# Altium PCB Copy of pcb-4layer-1oz-1.6mm.PcbDoc (part 1 of 3)
Units mm, origin at the board's own origin, x right, y up, seen from the top; angles counter-clockwise.
Board outline 208.5 x 86.9 mm, 4 copper layers (Top Layer, MID1, MID2, Bottom Layer), stack 1.579 mm thick; 542 components, 426 nets, 1550 pads, 320 vias.
Unrouted connection lines stored in the file: 532.
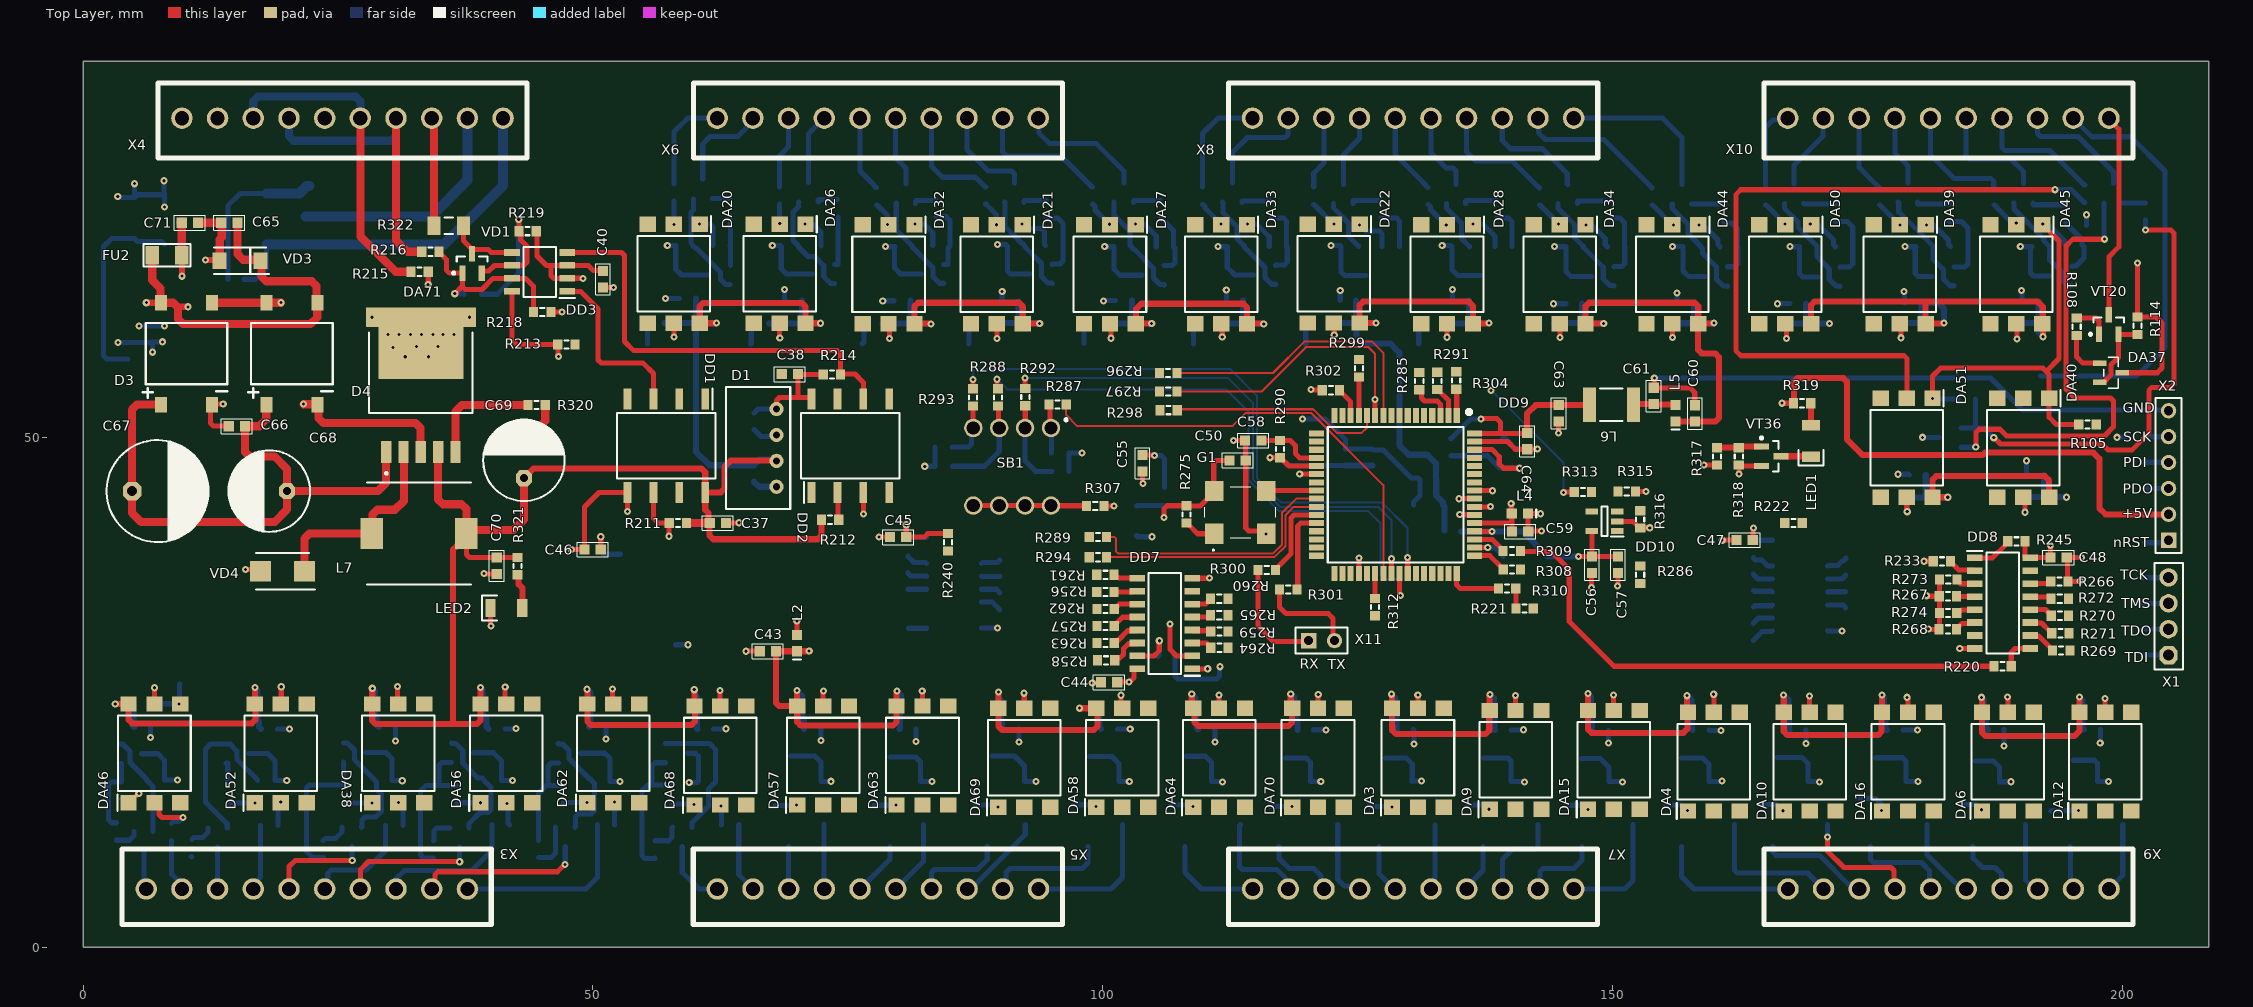
[diagram p0: Top Layer view]
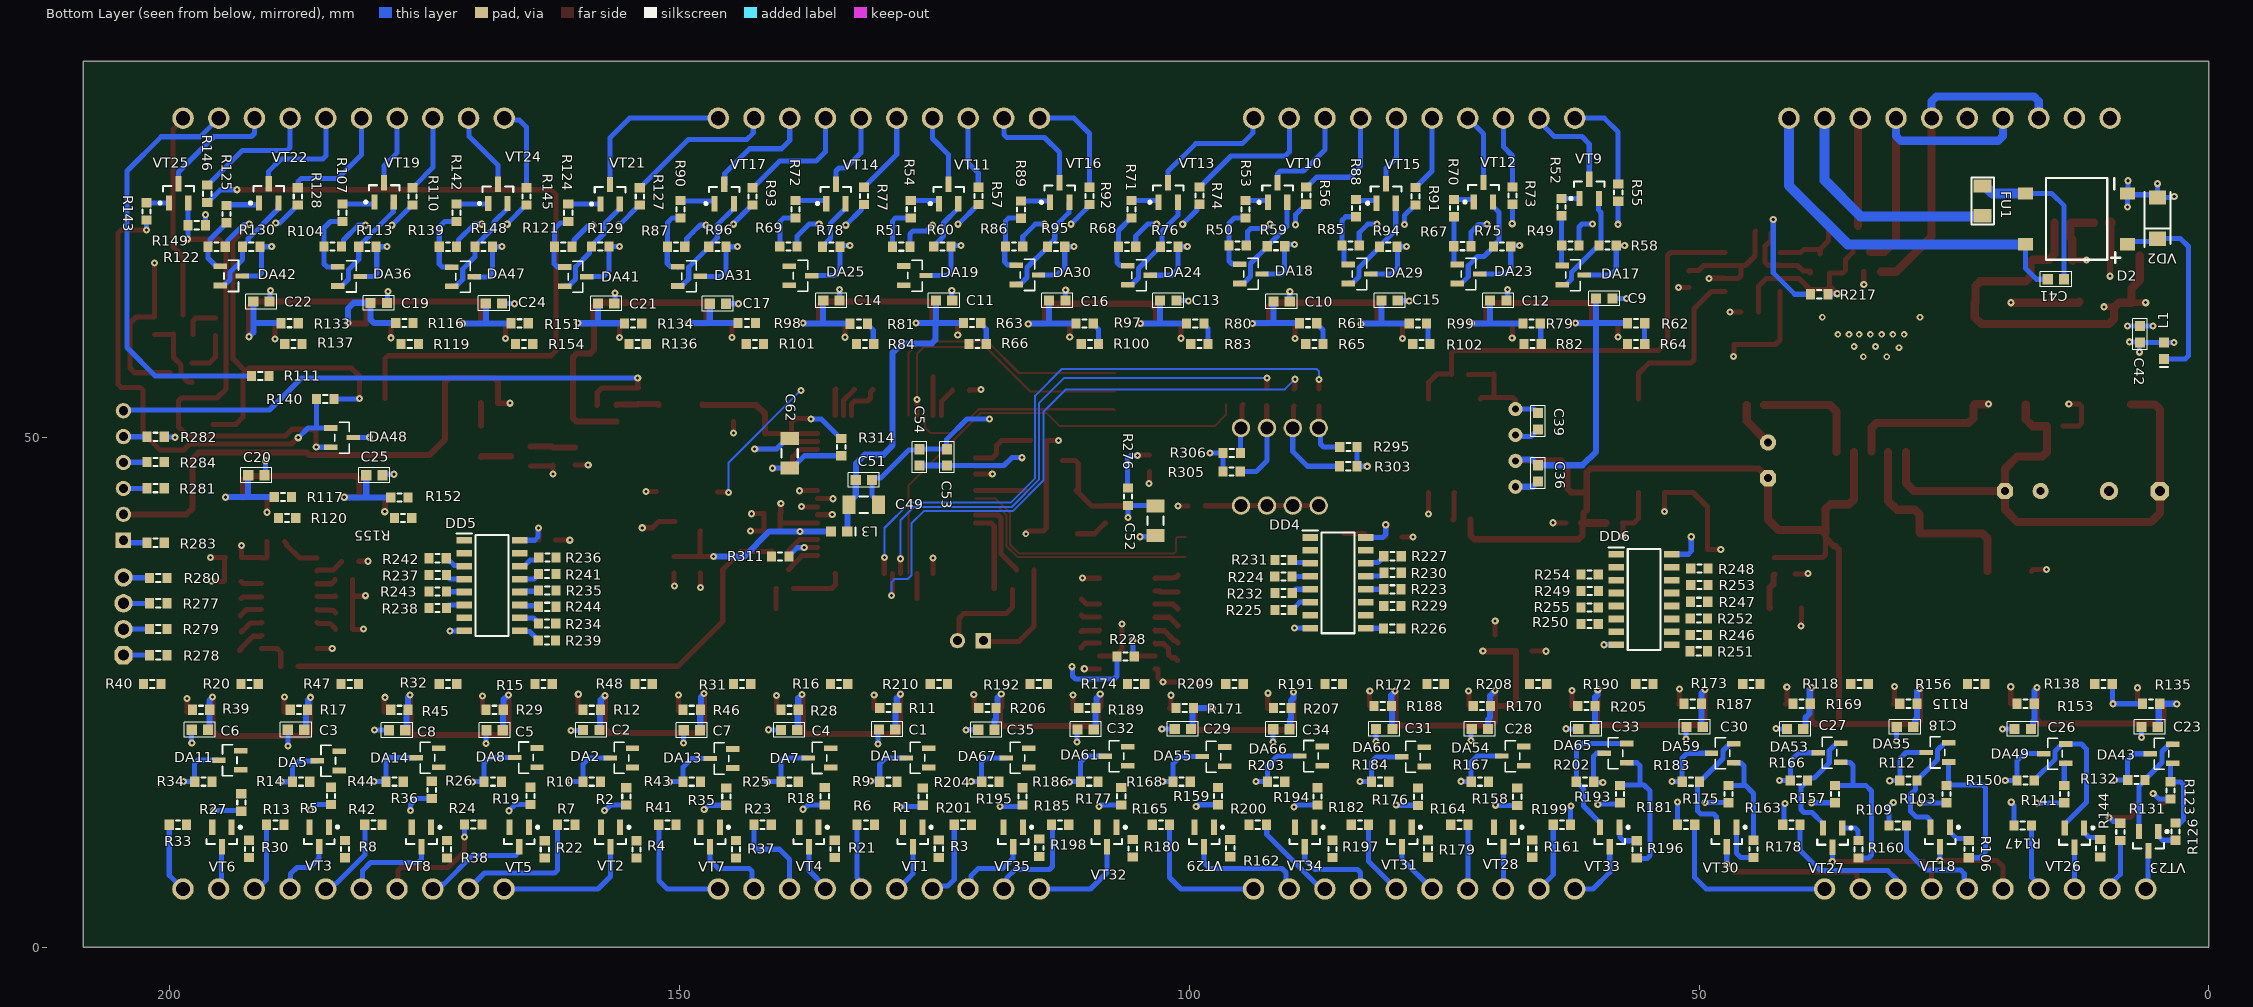
[diagram p1: Bottom Layer view, seen from below]
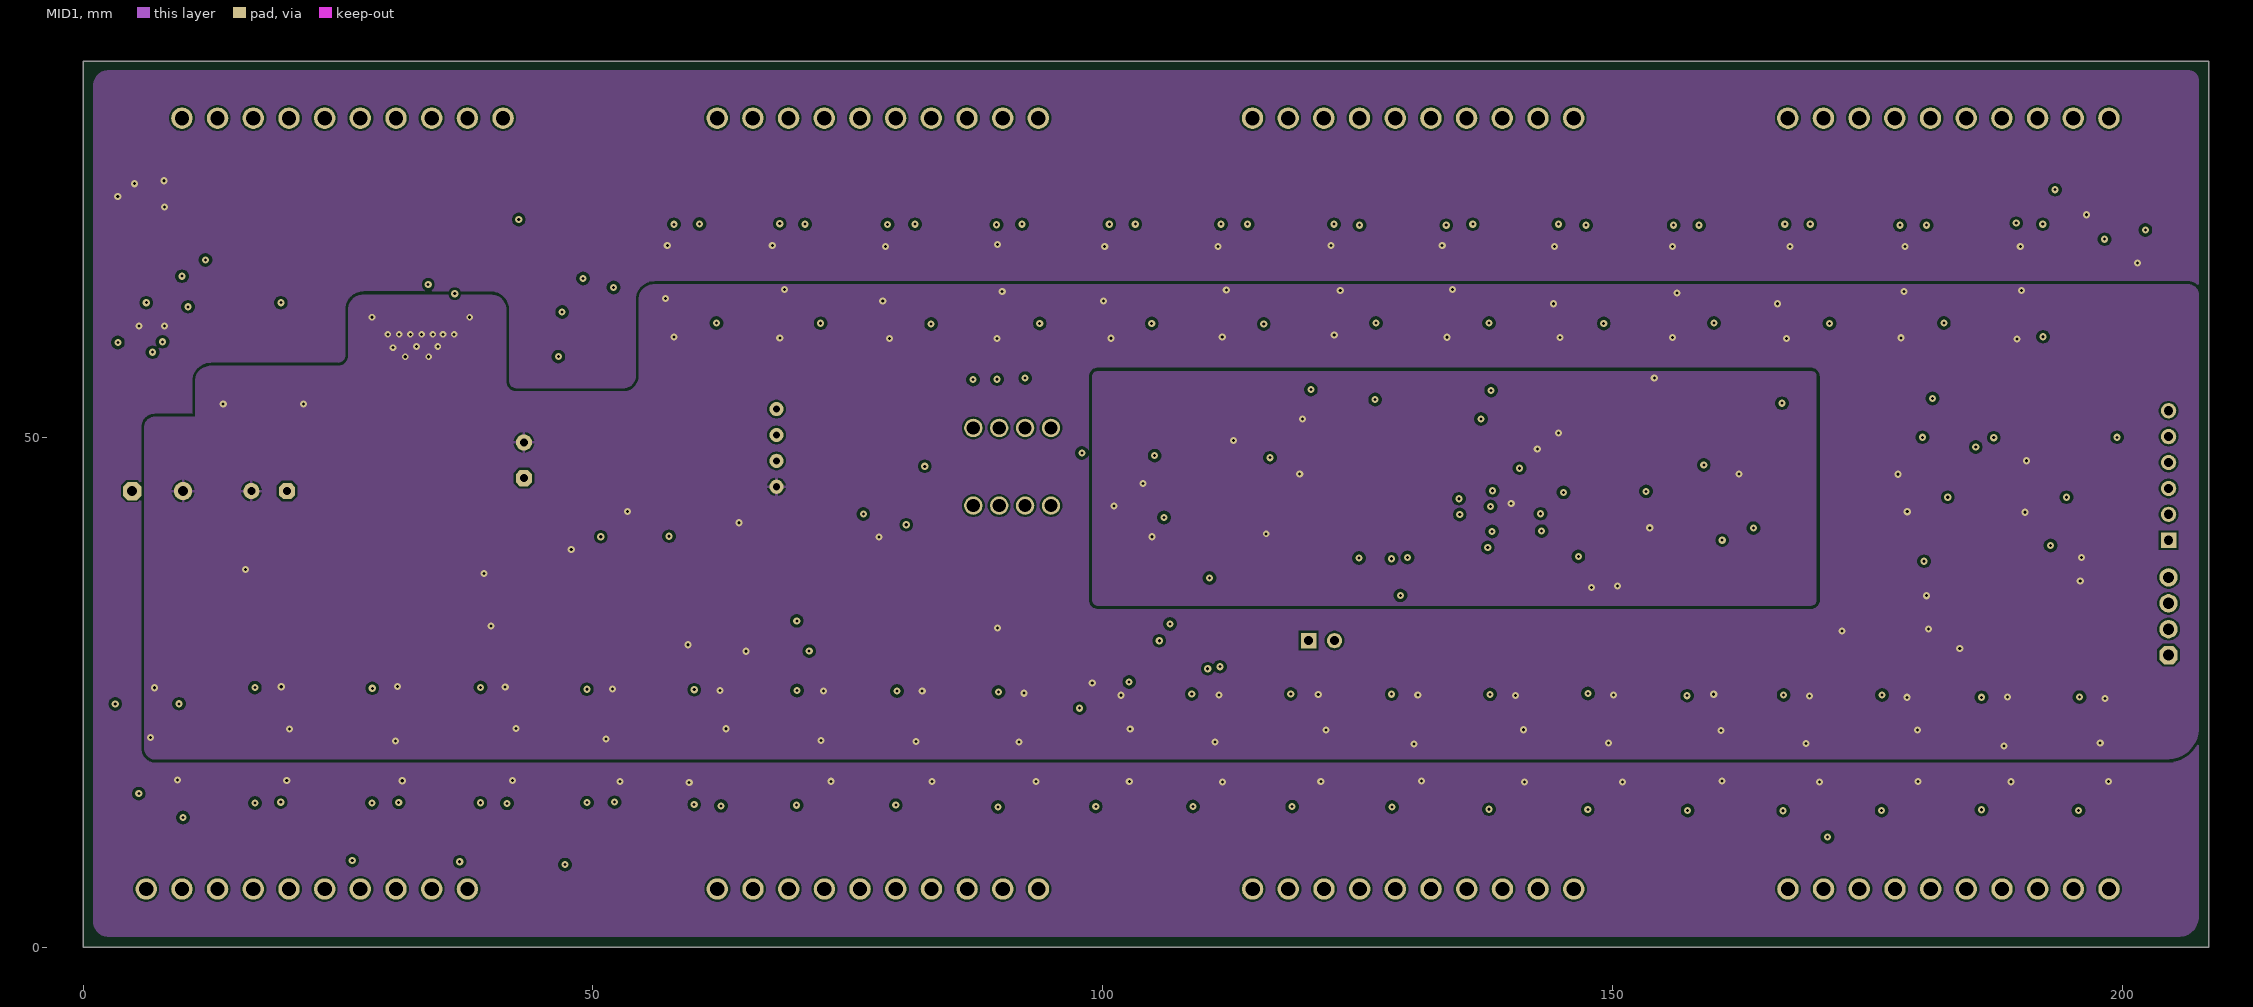
[diagram p2: MID1]
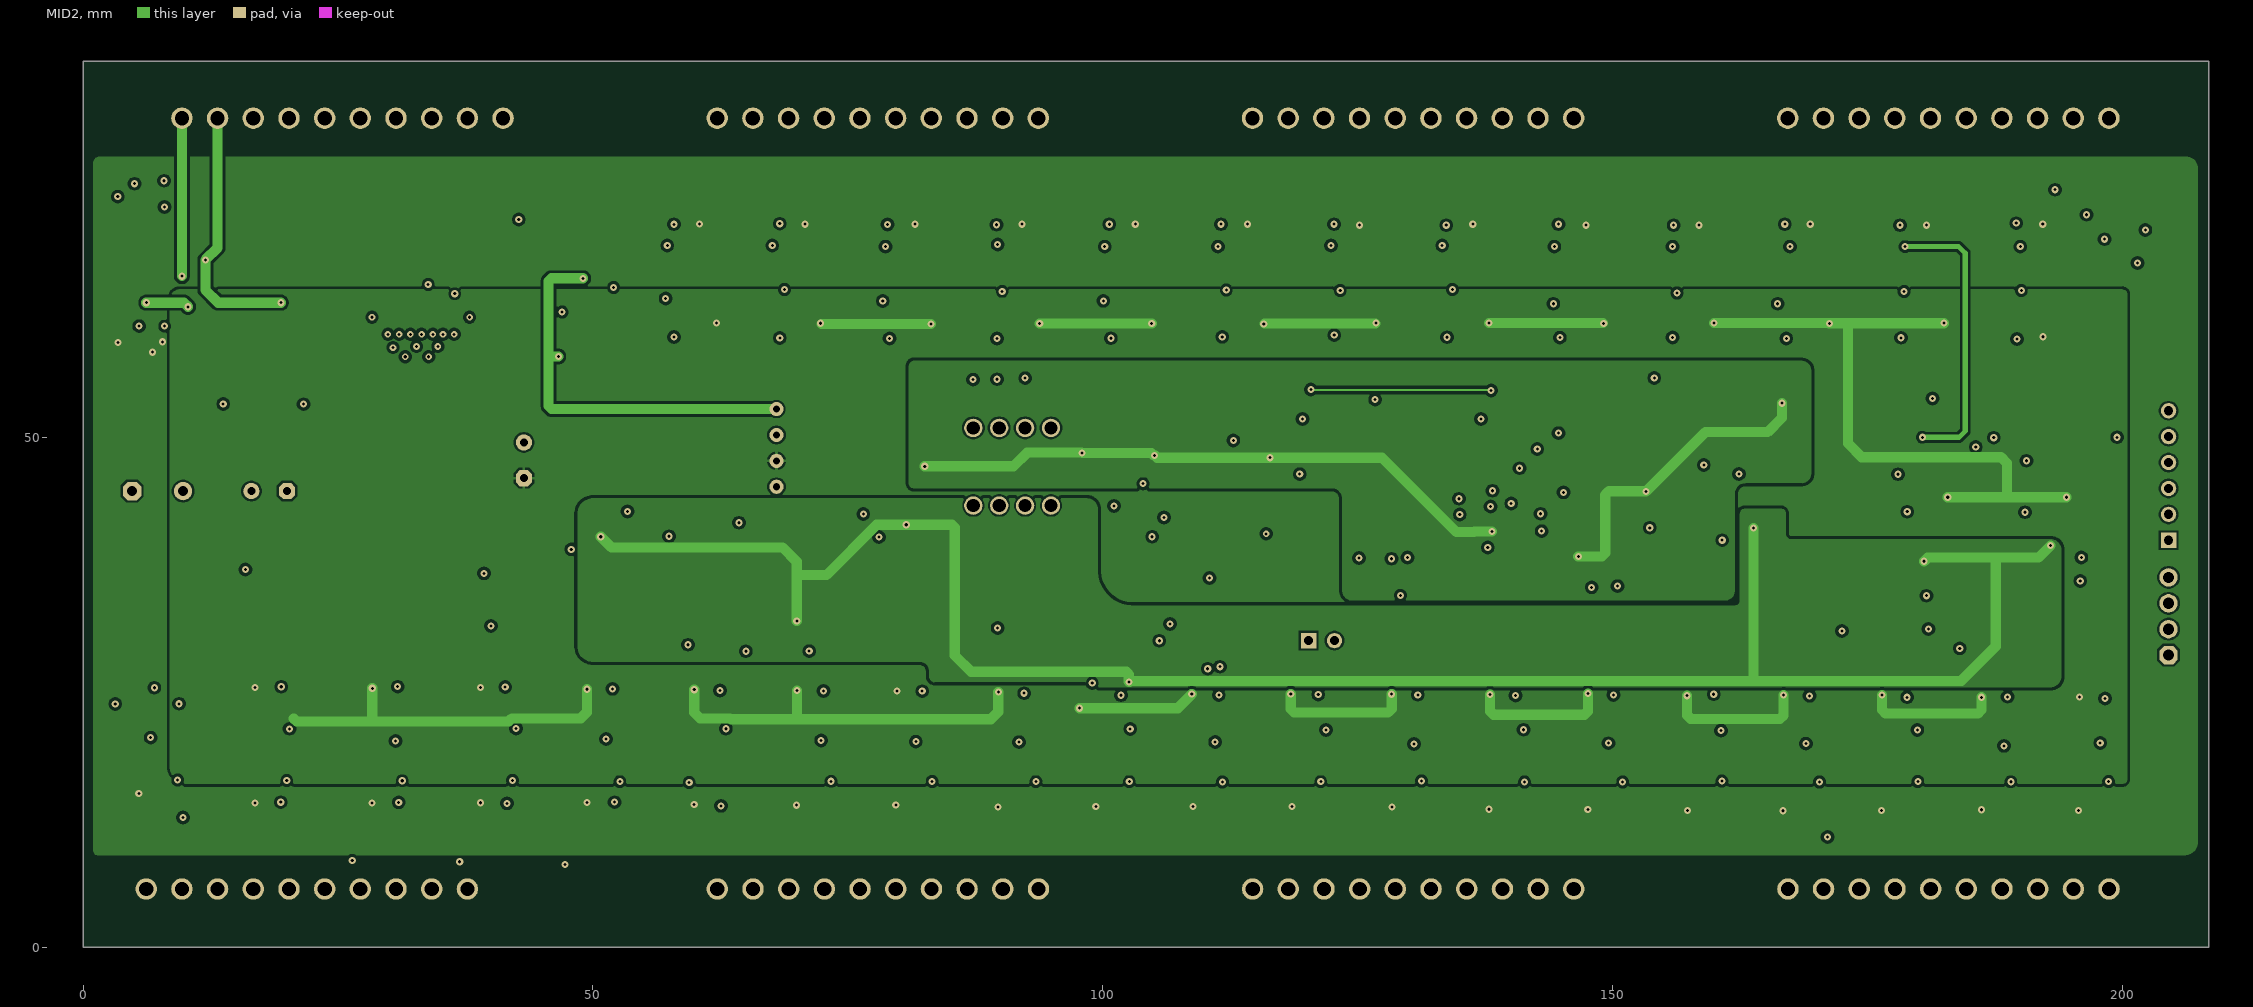
[diagram p3: MID2]

## Layer stack, top to bottom
Top Solder: solder mask 0.0102, Solder Resist, Dk 3.5
Top Layer: signal copper 0.036
Dielectric 2: prepreg 0.0711, PP-006, Dk 4.1
MID1: signal copper 0.035
Dielectric 1: dielectric 1.295, FR-4, Dk 4.8
MID2: signal copper 0.035
Dielectric 3: prepreg 0.0711, PP-006, Dk 4.1
Bottom Layer: signal copper 0.036
Bottom Solder: solder mask 0.0102, Solder Resist, Dk 3.5

## Board outline
0,0 0,86.9 208.5,86.9 208.5,0

## Design rules (kind name [scope] priority, off if disabled: settings)
BoardOutlineClearance [All] p1: gap=0.3 ignorepadtopadclearanceinfootprint=FALSE
Clearance Clearance_MultiLayerPad [OnLayer('Multi-Layer') and IsPad] p1: gap=0.2 ignorepadtopadclearanceinfootprint=FALSE except(0: Arc-Hole Track-Hole SMDPad-Hole THPad-Hole Via-Hole Fill-Hole Poly-Hole Region-Hole Text-Hole)
Clearance Clearance_Polygon [InPolygon] p2: gap=0.3 ignorepadtopadclearanceinfootprint=FALSE except(0: Arc-Hole Track-Hole SMDPad-Hole THPad-Hole Via-Hole Fill-Hole Poly-Hole Region-Hole Text-Hole; 0.15: Arc-Arc Arc-Track Track-Track)
Clearance [All] p3: gap=0.15 ignorepadtopadclearanceinfootprint=FALSE except(0: Arc-Hole Track-Hole SMDPad-Hole THPad-Hole Via-Hole Fill-Hole Poly-Hole Region-Hole Text-Hole)
ComponentClearance [All] p1: gap=0.5 collisioncheckmode=3 verticalgap=0.5 showdistances=FALSE
DiffPairsRouting [All] p1: maxlimit=0.4 minlimit=0.15 mostfreqgap=0.3 toplayer_minwidth=0.15 toplayer_maxwidth=0.3 toplayer_prefwidth=0.15 midlayer1_minwidth=0.15 midlayer1_maxwidth=0.3 midlayer1_prefwidth=0.15 midlayer2_minwidth=0.15 midlayer2_maxwidth=0.3 midlayer2_prefwidth=0.15 bottomlayer_minwidth=0.15 bottomlayer_maxwidth=0.3 bottomlayer_prefwidth=0.15 maxuncoupledlength=12.7
Height [All] p1: minheight=0 maxheight=50 prefheight=12.7
HoleSize [All] p1: absolutevalues=TRUE maxlimit=10 minlimit=0.3 maxpercent=80.000 minpercent=20.000
HoleToHoleClearance [All] p1: gap=0.3 allowstackedmicrovias=TRUE
MinimumSolderMaskSliver [All] p1: minsoldermaskwidth=0.2
PlaneClearance [All] p1: clearance=0.5
PlaneConnect [All] p1: planeconnectstyle=Relief reliefexpansion=0.5 reliefentries=4 reliefconductorwidth=0.3 reliefairgap=0.2
PolygonConnect PolygonConnect_PadGND [InNet('GND') and IsPad] p1: connectstyle=Relief reliefconductorwidth=0.3 reliefentries=4 polygonreliefangle="90 Angle" airgapwidth=0.2
PolygonConnect PolygonConnect_Via [IsVia] p2: connectstyle=Direct reliefconductorwidth=0.254 reliefentries=4 polygonreliefangle="90 Angle" airgapwidth=0.254
PolygonConnect [All] p3: connectstyle=Relief reliefconductorwidth=0.3 reliefentries=4 polygonreliefangle="90 Angle" airgapwidth=0.2
RoutingVias [All] p1: holewidth=0.3 width=0.7 viastyle="Through Hole" minholewidth=0.3 minwidth=0.6 maxholewidth=0.5 maxwidth=1.2
SilkToSolderMaskClearance [IsPad] p1: minsilkscreentomaskgap=0.2 clearancetoexposedcopper=TRUE
SolderMaskExpansion [All] p1: expansion=0.075 istentingtop=FALSE
Width [All] p1: maxlimit=10 minlimit=0.15 preferedwidth=0.15
21 further rules are at their usual default settings.

## Classes and differential pairs
net class DATA[77..1]: DATA1 DATA2 DATA3 DATA4 DATA5 DATA6 DATA7 DATA8 DATA9 DATA10 DATA11 DATA12 DATA13 DATA14 DATA15 DATA16 DATA17 DATA18 DATA19 DATA20 DATA21 DATA22 DATA23 DATA24 DATA25 DATA26 DATA27 DATA28 DATA29 DATA30 DATA31 DATA32 DATA33 DATA34 DATA35 DATA36 DATA37 DATA38 DATA39 DATA40 DATA41 DATA42 DATA43 DATA44 DATA45 DATA46 DATA47 DATA48 DATA49 DATA50 DATA51 DATA52 DATA53 DATA54 DATA55 DATA56 DATA57 DATA58 DATA59 DATA60 DATA61 DATA62 DATA63 DATA64 DATA65 DATA66 DATA67 DATA68 DATA69 DATA70 DATA71 DATA72 DATA73 DATA74 DATA75 DATA76 DATA77
component class U_11_PWR_SYS: C65 C66 C67 C68 C69 C70 C71 D3 D4 DA71 FU2 L7 LED2 R320 R321 VD3 VD4
component class U_10_Connectors: X3 X4 X5 X6 X7 X8 X9 X10
component class U_09_MCU: C49 C50 C51 C52 C53 C54 C55 C56 C57 C58 C59 C60 C61 C62 C63 C64 DD9 DD10 G1 L3 L4 L5 L6 LED1 R275 R276 R277 R278 R279 R280 R281 R282 R283 R284 R285 R286 R287 R288 R289 R290 R291 R292 R293 R294 R295 R296 R297 R298 R299 R300 R301 R302 R303 R304 R305 R306 R307 R308 R309 R310 R311 R312 R313 R314 R315 R316 R317 R318 R319 SB1 VT36 X1 X2
component class U_08_Extention_GPIO: C43 C44 C45 C46 C47 C48 DD4 DD5 DD6 DD7 DD8 L2 R220 R221 R222 R223 R224 R225 R226 R227 R228 R229 R230 R231 R232 R233 R234 R235 R236 R237 R238 R239 R240 R241 R242 R243 R244 R245 R246 R247 R248 R249 R250 R251 R252 R253 R254 R255 R256 R257 R258 R259 R260 R261 R262 R263 R264 R265 R266 R267 R268 R269 R270 R271 R272 R273 R274
component class U_07_RS485: C36 C37 C38 C39 C40 D1 DD1 DD2 DD3 R211 R212 R213 R214 R215 R216 R217 R218 R219 R322 VD1 X11
component class U_06_PWR_Inputs_12V: C41 C42 D2 FU1 L1 VD2
component class U_05_Inputs_28-35: C1 C2 C3 C4 C5 C6 C7 C8 DA1 DA2 DA3 DA4 DA5 DA6 DA7 DA8 DA9 DA10 DA11 DA12 DA13 DA14 DA15 DA16 R1 R2 R3 R4 R5 R6 R7 R8 R9 R10 R11 R12 R13 R14 R15 R16 R17 R18 R19 R20 R21 R22 R23 R24 R25 R26 R27 R28 R29 R30 R31 R32 R33 R34 R35 R36 R37 R38 R39 R40 R41 R42 R43 R44 R45 R46 R47 R48 VT1 VT2 VT3 VT4 VT5 VT6 VT7 VT8
component class U_04_Inputs_19-27: C27 C28 C29 C30 C31 C32 C33 C34 C35 DA53 DA54 DA55 DA56 DA57 DA58 DA59 DA60 DA61 DA62 DA63 DA64 DA65 DA66 DA67 DA68 DA69 DA70 R157 R158 R159 R160 R161 R162 R163 R164 R165 R166 R167 R168 R169 R170 R171 R172 R173 R174 R175 R176 R177 R178 R179 R180 R181 R182 R183 R184 R185 R186 R187 R188 R189 R190 R191 R192 R193 R194 R195 R196 R197 R198 R199 R200 R201 R202 R203 R204 R205 R206 R207 R208 R209 R210 VT27 VT28 VT29 VT30 VT31 VT32 VT33 VT34 VT35
component class U_03_Inputs_10-18: C18 C19 C20 C21 C22 C23 C24 C25 C26 DA35 DA36 DA37 DA38 DA39 DA40 DA41 DA42 DA43 DA44 DA45 DA46 DA47 DA48 DA49 DA50 DA51 DA52 R103 R104 R105 R106 R107 R108 R109 R110 R111 R112 R113 R114 R115 R116 R117 R118 R119 R120 R121 R122 R123 R124 R125 R126 R127 R128 R129 R130 R131 R132 R133 R134 R135 R136 R137 R138 R139 R140 R141 R142 R143 R144 R145 R146 R147 R148 R149 R150 R151 R152 R153 R154 R155 R156 VT18 VT19 VT20 VT21 VT22 VT23 VT24 VT25 VT26
component class U_02_Inputs_1-9: C9 C10 C11 C12 C13 C14 C15 C16 C17 DA17 DA18 DA19 DA20 DA21 DA22 DA23 DA24 DA25 DA26 DA27 DA28 DA29 DA30 DA31 DA32 DA33 DA34 R49 R50 R51 R52 R53 R54 R55 R56 R57 R58 R59 R60 R61 R62 R63 R64 R65 R66 R67 R68 R69 R70 R71 R72 R73 R74 R75 R76 R77 R78 R79 R80 R81 R82 R83 R84 R85 R86 R87 R88 R89 R90 R91 R92 R93 R94 R95 R96 R97 R98 R99 R100 R101 R102 VT9 VT10 VT11 VT12 VT13 VT14 VT15 VT16 VT17

## Components (designator, comment, footprint, x,y, rotation, side; value= is the part's Value field where it differs from the comment)
C1 "C0603" C0603 129.641,21.355 r0 bottom value=100n
C2 "C0603" C0603 158.656,21.294 r0 bottom value=100n
C3 "C0603" C0603 187.616,21.313 r0 bottom value=100n
C4 "C0603" C0603 139.259,21.297 r0 bottom value=100n
C5 "C0603" C0603 168.14,21.275 r0 bottom value=100n
C6 "C0603" C0603 197.049,21.325 r0 bottom value=100n
C7 "C0603" C0603 148.794,21.259 r0 bottom value=100n
C8 "C0603" C0603 177.707,21.277 r0 bottom value=100n
C9 "C0603" C0603 59.302,63.603 r180 bottom value=100n
C10 "C0603" C0603 90.956,63.315 r180 bottom value=100n
C11 "C0603" C0603 124.059,63.417 r180 bottom value=100n
C12 "C0603" C0603 69.708,63.417 r180 bottom value=100n
C13 "C0603" C0603 102.064,63.417 r180 bottom value=100n
C14 "C0603" C0603 135.113,63.417 r180 bottom value=100n
C15 "C0603" C0603 80.351,63.417 r180 bottom value=100n
C16 "C0603" C0603 112.951,63.417 r180 bottom value=100n
C17 "C0603" C0603 146.239,63.102 r180 bottom value=100n
C18 "C0603" C0603 29.809,21.583 r0 bottom value=100n
C19 "C0603" C0603 179.495,63.18 r180 bottom value=100n
C20 "C0603" C0603 191.507,46.284 r180 bottom value=100n
C21 "C0603" C0603 157.206,63.128 r180 bottom value=100n
C22 "C0603" C0603 191.01,63.304 r180 bottom value=100n
C23 "C0603" C0603 5.817,21.583 r0 bottom value=100n
C24 "C0603" C0603 168.198,63.137 r180 bottom value=100n
C25 "C0603" C0603 179.924,46.284 r180 bottom value=100n
C26 "C0603" C0603 18.256,21.399 r0 bottom value=100n
C27 "C0603" C0603 40.582,21.399 r0 bottom value=100n
C28 "C0603" C0603 71.506,21.399 r0 bottom value=100n
C29 "C0603" C0603 100.637,21.4 r0 bottom value=100n
C30 "C0603" C0603 50.442,21.583 r0 bottom value=100n
C31 "C0603" C0603 80.887,21.386 r0 bottom value=100n
C32 "C0603" C0603 110.166,21.355 r0 bottom value=100n
C33 "C0603" C0603 61.056,21.399 r0 bottom value=100n
C34 "C0603" C0603 90.965,21.361 r0 bottom value=100n
C35 "C0603" C0603 119.906,21.322 r0 bottom value=100n
C36 "C0603" C0603 65.794,46.454 r90 bottom value=100n
C37 "C0603" C0603 62.257,41.587 r0 top value=100n
C38 "C0603" C0603 69.327,56.196 r0 top value=100n
C39 "C0603" C0603 65.794,51.569 r90 bottom value=100n
C40 "C0603" C0603 51,65.5 r270 top value=100n
C41 "C0603" C0603 15,65.5 r0 bottom value=22p
C42 "C0603" C0603 6.756,60.107 r90 bottom value=100n
C43 "C0603" C0603 67.165,29.021 r180 top value=100n
C44 "C0603" C0603 100.622,25.982 r180 top value=100n
C45 "C0603" C0603 79.944,40.207 r180 top value=100n
C46 "C0603" C0603 49.972,39.005 r180 top value=100n
C47 "C0603" C0603 162.964,39.934 r180 top value=100n
C48 "C0603" C0603 193.75,38.204 r0 top value=100n
C49 "C1206" C1206 131.924,43.377 r180 bottom value=10mk
C50 "C0603" C0603 113.235,47.737 r0 top value=100n
C51 "C0603" C0603 131.919,45.814 r180 bottom value=100n
C52 "C1206" C1206 103.314,41.807 r270 bottom value=10mk
C53 "C0603" C0603 123.763,48.033 r90 bottom value=100n
C54 "C0603" C0603 126.464,48.033 r90 bottom value=100n
C55 "C0603" C0603 103.9,47.456 r270 top value=100n
C56 "C0603" C0603 147.996,37.497 r270 top value=100n
C57 "C0603" C0603 150.533,37.497 r270 top value=100n
C58 "C0603" C0603 114.773,49.683 r180 top value=100n
C59 "C0603" C0603 140.944,40.759 r180 top value=22p
C60 "C0603" C0603 158.091,52.338 r90 top value=100n
C61 "C0603" C0603 154.053,54.054 r90 top value=100n
C62 "C1206" C1206 139.207,48.429 r90 bottom value=10mk
C63 "C0603" C0603 144.723,52.355 r270 top value=100n
C64 "C0603" C0603 141.636,49.632 r270 top value=22p
C65 "C0603" C0603 14.347,71.047 r180 top value=22p
C66 "C0603" C0603 15.086,51.09 r180 top value=22p
C67 "Aluminium capacitor, 470μF, 35V, ±20%, 54mOhm, D10H17P5, -55...+105°C" "CAP: D10C5H16" 7.308,44.725 r0 top value=470μF
C68 "Aluminium capacitor, 220μF, 35V, ±20%, 54mOhm, D8C3.5H12, -55...+105°C" "CAP: D8C3.5H12" 18.256,44.725 r180 top value=220μF
C69 "Aluminium capacitor, 220μF, 35V, ±20%, 54mOhm, D8C3.5H12, -55...+105°C" "CAP: D8C3.5H12" 43.238,47.744 r90 top value=220μF
C70 "C0603" C0603 40.582,37.405 r270 top value=100n
C71 "C0603" C0603 10.476,71.047 r0 top value=100n
D1 "DC/DC converter, isolator, 5V 200mA, -40...+105°C, SIP-4" "MOD: SIP-4 (B0505S-1W)" 68.008,45.148 r90 top
D2 "DB101S" DB-1S 17.982,68.922 r90 bottom value=1A
D3 "DB101S" DB-1S 7.645,63.201 r0 top value=1A
D4 "DB101S" DB-1S 17.982,63.201 r0 top value=1A
DA1 "TL431ACDBZR" SOT95P237X112-3N 126.649,18.56 r0 bottom
DA2 "TL431ACDBZR" SOT95P237X112-3N 155.707,18.555 r0 bottom
DA3 "H11L1SM" SOP254P1030X460-6N 130.921,18.578 r90 top
DA4 "H11L1SM" SOP254P1030X460-6N 159.946,18.195 r90 top
DA5 "TL431ACDBZR" SOT95P237X112-3N 184.451,18.269 r0 bottom
DA6 "H11L1SM" SOP254P1030X460-6N 188.777,18.195 r90 top
DA7 "TL431ACDBZR" SOT95P237X112-3N 136.275,18.548 r0 bottom
DA8 "TL431ACDBZR" SOT95P237X112-3N 165.07,18.593 r0 bottom
DA9 "H11L1SM" SOP254P1030X460-6N 140.497,18.363 r90 top
DA10 "H11L1SM" SOP254P1030X460-6N 169.339,18.195 r90 top
DA11 "TL431ACDBZR" SOT95P237X112-3N 194.113,18.329 r0 bottom
DA12 "H11L1SM" SOP254P1030X460-6N 198.341,18.195 r90 top
DA13 "TL431ACDBZR" SOT95P237X112-3N 145.889,18.497 r0 bottom
DA14 "TL431ACDBZR" SOT95P237X112-3N 174.727,18.567 r0 bottom
DA15 "H11L1SM" SOP254P1030X460-6N 150.138,18.363 r90 top
DA16 "H11L1SM" SOP254P1030X460-6N 178.983,18.195 r90 top
DA17 "TL431ACDBZR" SOT95P237X112-3N 62.355,65.91 r180 bottom
DA18 "TL431ACDBZR" SOT95P237X112-3N 93.964,66.025 r180 bottom
DA19 "TL431ACDBZR" SOT95P237X112-3N 126.918,65.861 r180 bottom
DA20 "H11L1SM" SOP254P1030X460-6N 57.938,66.039 r270 top
DA21 "H11L1SM" SOP254P1030X460-6N 89.62,66 r270 top
DA22 "H11L1SM" SOP254P1030X460-6N 122.661,66.051 r270 top
DA23 "TL431ACDBZR" SOT95P237X112-3N 72.612,66.016 r180 bottom
DA24 "TL431ACDBZR" SOT95P237X112-3N 104.945,65.892 r180 bottom
DA25 "TL431ACDBZR" SOT95P237X112-3N 138.134,65.849 r180 bottom
DA26 "H11L1SM" SOP254P1030X460-6N 68.319,66.039 r270 top
DA27 "H11L1SM" SOP254P1030X460-6N 100.715,66 r270 top
DA28 "H11L1SM" SOP254P1030X460-6N 133.773,66 r270 top
DA29 "TL431ACDBZR" SOT95P237X112-3N 83.319,66.016 r180 bottom
DA30 "TL431ACDBZR" SOT95P237X112-3N 115.885,65.923 r180 bottom
DA31 "TL431ACDBZR" SOT95P237X112-3N 149.064,65.786 r180 bottom
DA32 "H11L1SM" SOP254P1030X460-6N 79,66 r270 top
DA33 "H11L1SM" SOP254P1030X460-6N 111.615,66 r270 top
DA34 "H11L1SM" SOP254P1030X460-6N 144.821,66 r270 top
DA35 "TL431ACDBZR" SOT95P237X112-3N 26.623,19.091 r0 bottom
DA36 "TL431ACDBZR" SOT95P237X112-3N 182.423,65.776 r180 bottom